# KiCad board LightRail_LPO_1.6T.kicad_pcb (continued)
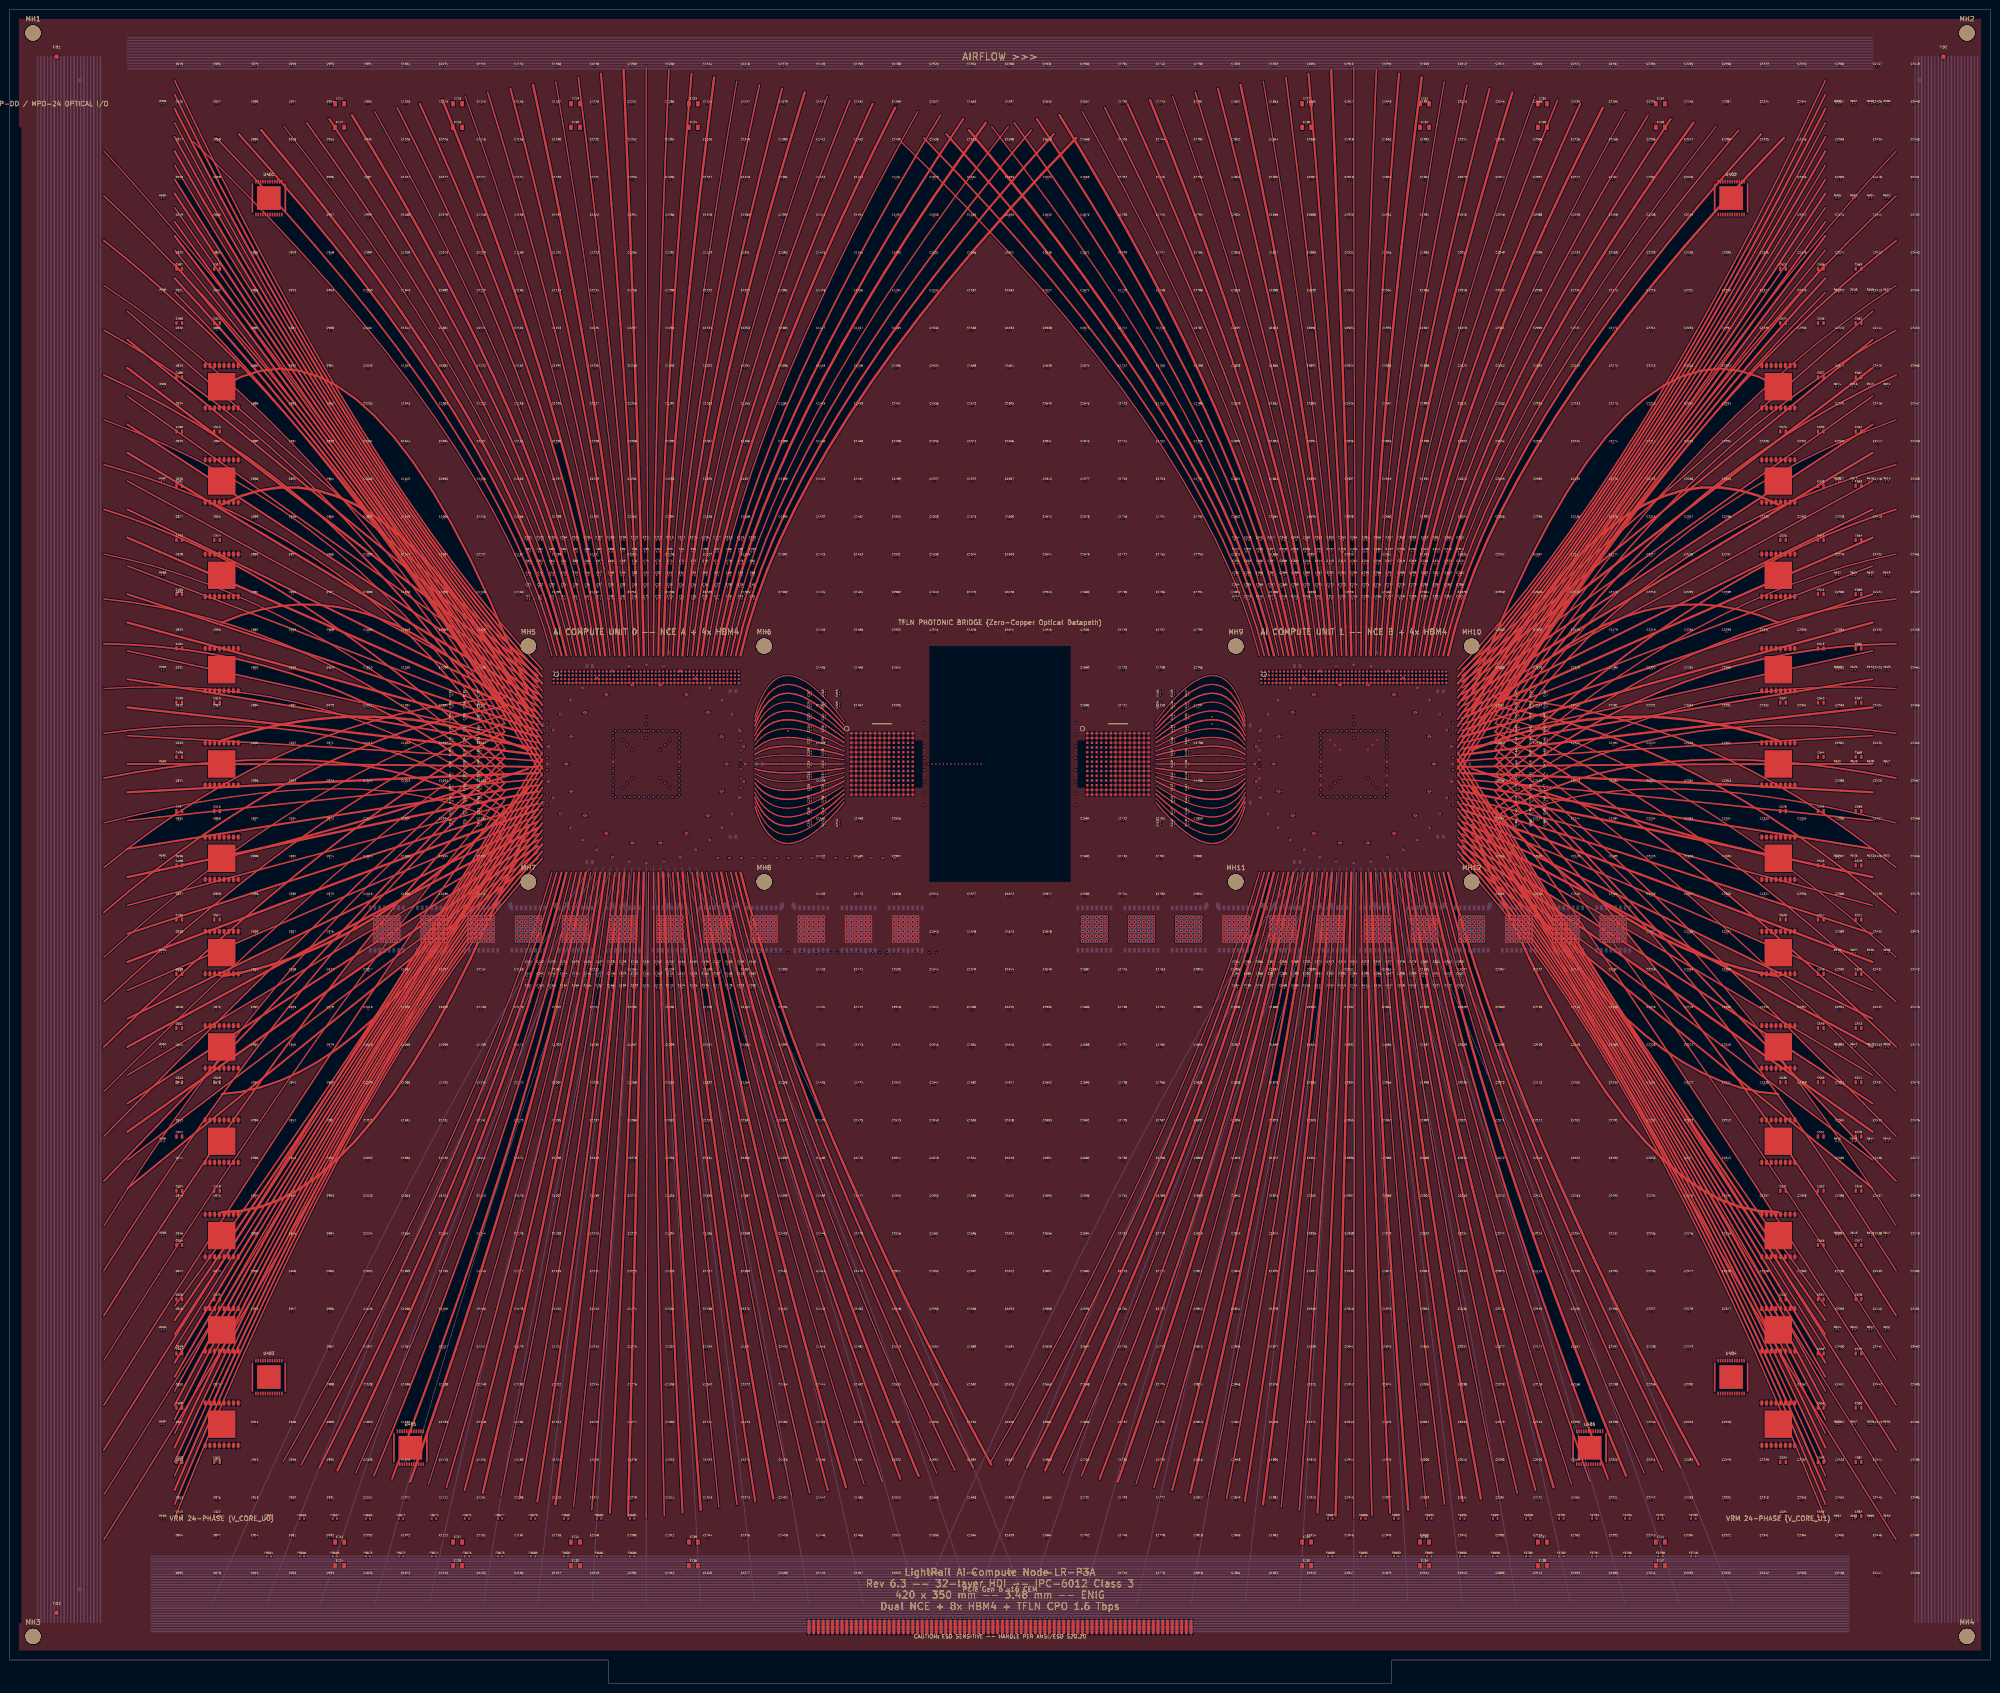
[diagram p0: board, top side]
## Routing (per net, layer and track width the routed paths; a pad name or vN(x,y) marks a point on that pad's centre or on a via; arc(x,y) is an arc through that point) (continued)
162.05,138.6 162.05,138.12 163.55,137.64 163.55,137.16 162.8,136.92 162.8,131.8 163.55,131.56 163.55,131.08 162.05,130.6 162.05,130.12 163.55,129.64 163.55,129.16 162.8,128.92 162.8,123.8 163.55,123.56 163.55,123.08 162.05,122.6 162.05,122.12 163.55,121.64 163.55,121.16 162.8,120.92 162.8,115.8 163.55,115.56 163.55,115.08 162.05,114.6 162.05,114.12 163.55,113.64 163.55,113.16 162.8,112.92 162.8,107.8 163.55,107.56 163.55,107.08 162.05,106.6 162.05,106.12 163.55,105.64 163.55,105.16 162.8,104.92 162.8,99.8 163.55,99.56 163.55,99.08 162.05,98.6 162.05,98.12 163.55,97.64 163.55,97.16 162.8,96.92 162.8,91.8 163.55,91.56 163.55,91.08 162.05,90.6 162.05,90.12 163.55,89.64 163.55,89.16 162.8,88.92 162.8,83.8 163.55,83.56 163.55,83.08 162.05,82.6 162.05,82.12 163.55,81.64 163.55,81.16 162.8,80.92 162.8,75.8 163.55,75.56 163.55,75.08 162.05,74.6 162.05,74.12 163.55,73.64 163.55,73.16 162.8,72.92 162.8,67.8 163.55,67.56 163.55,67.08 162.05,66.6 162.05,66.12 163.55,65.64 163.55,65.16 162.8,64.92 162.8,59.8 163.55,59.56 163.55,59.08 162.05,58.6 162.05,58.12 163.55,57.64 163.55,57.16 162.8,56.92 162.8,51.8 163.55,51.56 163.55,51.08 162.05,50.6 162.05,50.12 163.55,49.64 163.55,49.16 162.8,48.92 162.8,43.8 163.55,43.56 163.55,43.08 162.05,42.6 162.05,42.12 163.55,41.64 163.55,41.16 162.8,40.92 162.8,35.8 163.55,35.56 163.55,35.08 162.05,34.6 162.05,34.12 163.55,33.64 163.55,33.16 162.8,32.92 162.8,27.8 163.55,27.56 163.55,27.08 162.05,26.6 162.05,26.12 163.55,25.64 163.55,25.16 162.8,24.92 162.8,15 ; v1(165.3,175) 165.3,171.8 166.2,171.56 166.2,171.08 164.4,170.6 164.4,170.12 166.2,169.64 166.2,169.16 165.3,168.92 165.3,163.8 166.2,163.56 166.2,163.08 164.4,162.6 164.4,162.12 166.2,161.64 166.2,161.16 165.3,160.92 165.3,155.8 166.2,155.56 166.2,155.08 164.4,154.6 164.4,154.12 166.2,153.64 166.2,153.16 165.3,152.92 165.3,147.8 166.2,147.56 166.2,147.08 164.4,146.6 164.4,146.12 166.2,145.64 166.2,145.16 165.3,144.92 165.3,139.8 166.2,139.56 166.2,139.08 164.4,138.6 164.4,138.12 166.2,137.64 166.2,137.16 165.3,136.92 165.3,131.8 166.2,131.56 166.2,131.08 164.4,130.6 164.4,130.12 166.2,129.64 166.2,129.16 165.3,128.92 165.3,123.8 166.2,123.56 166.2,123.08 164.4,122.6 164.4,122.12 166.2,121.64 166.2,121.16 165.3,120.92 165.3,115.8 166.2,115.56 166.2,115.08 164.4,114.6 164.4,114.12 166.2,113.64 166.2,113.16 165.3,112.92 165.3,107.8 166.2,107.56 166.2,107.08 164.4,106.6 164.4,106.12 166.2,105.64 166.2,105.16 165.3,104.92 165.3,99.8 166.2,99.56 166.2,99.08 164.4,98.6 164.4,98.12 166.2,97.64 166.2,97.16 165.3,96.92 165.3,91.8 166.2,91.56 166.2,91.08 164.4,90.6 164.4,90.12 166.2,89.64 166.2,89.16 165.3,88.92 165.3,83.8 166.2,83.56 166.2,83.08 164.4,82.6 164.4,82.12 166.2,81.64 166.2,81.16 165.3,80.92 165.3,75.8 166.2,75.56 166.2,75.08 164.4,74.6 164.4,74.12 166.2,73.64 166.2,73.16 165.3,72.92 165.3,67.8 166.2,67.56 166.2,67.08 164.4,66.6 164.4,66.12 166.2,65.64 166.2,65.16 165.3,64.92 165.3,59.8 166.2,59.56 166.2,59.08 164.4,58.6 164.4,58.12 166.2,57.64 166.2,57.16 165.3,56.92 165.3,51.8 166.2,51.56 166.2,51.08 164.4,50.6 164.4,50.12 166.2,49.64 166.2,49.16 165.3,48.92 165.3,43.8 166.2,43.56 166.2,43.08 164.4,42.6 164.4,42.12 166.2,41.64 166.2,41.16 165.3,40.92 165.3,35.8 166.2,35.56 166.2,35.08 164.4,34.6 164.4,34.12 166.2,33.64 166.2,33.16 165.3,32.92 165.3,27.8 166.2,27.56 166.2,27.08 164.4,26.6 164.4,26.12 166.2,25.64 166.2,25.16 165.3,24.92 165.3,15 ; 60,186 110,186 60,186 ; 15,175 60,175 60,210 ; v1(195,14) 195,58 155,58 v1(155,175) 155,171.8 155.9,171.56 155.9,171.08 154.1,170.6 154.1,170.12 155.9,169.64 155.9,169.16 155,168.92 155,163.8 155.9,163.56 155.9,163.08 154.1,162.6 154.1,162.12 155.9,161.64 155.9,161.16 155,160.92 155,155.8 155.9,155.56 155.9,155.08 154.1,154.6 154.1,154.12 155.9,153.64 155.9,153.16 155,152.92 155,147.8 155.9,147.56 155.9,147.08 154.1,146.6 154.1,146.12 155.9,145.64 155.9,145.16 155,144.92 155,139.8 155.9,139.56 155.9,139.08 154.1,138.6 154.1,138.12 155.9,137.64 155.9,137.16 155,136.92 155,131.8 155.9,131.56 155.9,131.08 154.1,130.6 154.1,130.12 155.9,129.64 155.9,129.16 155,128.92 155,123.8 155.9,123.56 155.9,123.08 154.1,122.6 154.1,122.12 155.9,121.64 155.9,121.16 155,120.92 155,115.8 155.9,115.56 155.9,115.08 154.1,114.6 154.1,114.12 155.9,113.64 155.9,113.16 155,112.92 155,107.8 155.9,107.56 155.9,107.08 154.1,106.6 154.1,106.12 155.9,105.64 155.9,105.16 155,104.92 155,99.8 155.9,99.56 155.9,99.08 154.1,98.6 154.1,98.12 155.9,97.64 155.9,97.16 155,96.92 155,91.8 155.9,91.56 155.9,91.08 154.1,90.6 154.1,90.12 155.9,89.64 155.9,89.16 155,88.92 155,83.8 155.9,83.56 155.9,83.08 154.1,82.6 154.1,82.12 155.9,81.64 155.9,81.16 155,80.92 155,75.8 155.9,75.56 155.9,75.08 154.1,74.6 154.1,74.12 155.9,73.64 155.9,73.16 155,72.92 155,67.8 155.9,67.56 155.9,67.08 154.1,66.6 154.1,66.12 155.9,65.64 155.9,65.16 155,64.92 155,59.8 155.9,59.56 155.9,59.08 154.1,58.6 154.1,58.12 155.9,57.64 155.9,57.16 155,56.92 155,51.8 155.9,51.56 155.9,51.08 154.1,50.6 154.1,50.12 155.9,49.64 155.9,49.16 155,48.92 155,43.8 155.9,43.56 155.9,43.08 154.1,42.6 154.1,42.12 155.9,41.64 155.9,41.16 155,40.92 155,35.8 155.9,35.56 155.9,35.08 154.1,34.6 154.1,34.12 155.9,33.64 155.9,33.16 155,32.92 155,27.8 155.9,27.56 155.9,27.08 154.1,26.6 154.1,26.12 155.9,25.64 155.9,25.16 155,24.92 155,15 ; v1(190,14) 190,55 150,55 ; 155.3,15 155.3,24.92 156.2,25.16 156.2,25.64 154.4,26.12 154.4,26.6 156.2,27.08 156.2,27.56 155.3,27.8 155.3,32.92 156.2,33.16 156.2,33.64 154.4,34.12 154.4,34.6 156.2,35.08 156.2,35.56 155.3,35.8 155.3,40.92 156.2,41.16 156.2,41.64 154.4,42.12 154.4,42.6 156.2,43.08 156.2,43.56 155.3,43.8 155.3,48.92 156.2,49.16 156.2,49.64 154.4,50.12 154.4,50.6 156.2,51.08 156.2,51.56 155.3,51.8 155.3,56.92 156.2,57.16 156.2,57.64 154.4,58.12 154.4,58.6 156.2,59.08 156.2,59.56 155.3,59.8 155.3,64.92 156.2,65.16 156.2,65.64 154.4,66.12 154.4,66.6 156.2,67.08 156.2,67.56 155.3,67.8 155.3,72.92 156.2,73.16 156.2,73.64 154.4,74.12 154.4,74.6 156.2,75.08 156.2,75.56 155.3,75.8 155.3,80.92 156.2,81.16 156.2,81.64 154.4,82.12 154.4,82.6 156.2,83.08 156.2,83.56 155.3,83.8 155.3,88.92 156.2,89.16 156.2,89.64 154.4,90.12 154.4,90.6 156.2,91.08 156.2,91.56 155.3,91.8 155.3,96.92 156.2,97.16 156.2,97.64 154.4,98.12 154.4,98.6 156.2,99.08 156.2,99.56 155.3,99.8 155.3,104.92 156.2,105.16 156.2,105.64 154.4,106.12 154.4,106.6 156.2,107.08 156.2,107.56 155.3,107.8 155.3,112.92 156.2,113.16 156.2,113.64 154.4,114.12 154.4,114.6 156.2,115.08 156.2,115.56 155.3,115.8 155.3,120.92 156.2,121.16 156.2,121.64 154.4,122.12 154.4,122.6 156.2,123.08 156.2,123.56 155.3,123.8 155.3,128.92 156.2,129.16 156.2,129.64 154.4,130.12 154.4,130.6 156.2,131.08 156.2,131.56 155.3,131.8 155.3,136.92 156.2,137.16 156.2,137.64 154.4,138.12 154.4,138.6 156.2,139.08 156.2,139.56 155.3,139.8 155.3,144.92 156.2,145.16 156.2,145.64 154.4,146.12 154.4,146.6 156.2,147.08 156.2,147.56 155.3,147.8 155.3,152.92 156.2,153.16 156.2,153.64 154.4,154.12 154.4,154.6 156.2,155.08 156.2,155.56 155.3,155.8 155.3,160.92 156.2,161.16 156.2,161.64 154.4,162.12 154.4,162.6 156.2,163.08 156.2,163.56 155.3,163.8 155.3,168.92 156.2,169.16 156.2,169.64 154.4,170.12 154.4,170.6 156.2,171.08 156.2,171.56 155.3,171.8 v1(155.3,175) ; 15,155 64,155 64,206 ; 64,206 110,206 64,206 ; 64,206 64,315 15,315 ; 66,204 66,145 15,145 ; 66,204 66,305 15,305 ; 66,204 110,204 66,204 ; 177.5,15 177.5,24.92 178.55,25.16 178.55,25.64 176.45,26.12 176.45,26.6 178.55,27.08 178.55,27.56 177.5,27.8 177.5,32.92 178.55,33.16 178.55,33.64 176.45,34.12 176.45,34.6 178.55,35.08 178.55,35.56 177.5,35.8 177.5,40.92 178.55,41.16 178.55,41.64 176.45,42.12 176.45,42.6 178.55,43.08 178.55,43.56 177.5,43.8 177.5,48.92 178.55,49.16 178.55,49.64 176.45,50.12 176.45,50.6 178.55,51.08 178.55,51.56 177.5,51.8 177.5,56.92 178.55,57.16 178.55,57.64 176.45,58.12 176.45,58.6 178.55,59.08 178.55,59.56 177.5,59.8 177.5,64.92 178.55,65.16 178.55,65.64 176.45,66.12 176.45,66.6 178.55,67.08 178.55,67.56 177.5,67.8 177.5,72.92 178.55,73.16 178.55,73.64 176.45,74.12 176.45,74.6 178.55,75.08 178.55,75.56 177.5,75.8 177.5,80.92 178.55,81.16 178.55,81.64 176.45,82.12 176.45,82.6 178.55,83.08 178.55,83.56 177.5,83.8 177.5,88.92 178.55,89.16 178.55,89.64 176.45,90.12 176.45,90.6 178.55,91.08 178.55,91.56 177.5,91.8 177.5,96.92 178.55,97.16 178.55,97.64 176.45,98.12 176.45,98.6 178.55,99.08 178.55,99.56 177.5,99.8 177.5,104.92 178.55,105.16 178.55,105.64 176.45,106.12 176.45,106.6 178.55,107.08 178.55,107.56 177.5,107.8 177.5,112.92 178.55,113.16 178.55,113.64 176.45,114.12 176.45,114.6 178.55,115.08 178.55,115.56 177.5,115.8 177.5,120.92 178.55,121.16 178.55,121.64 176.45,122.12 176.45,122.6 178.55,123.08 178.55,123.56 177.5,123.8 177.5,128.92 178.55,129.16 178.55,129.64 176.45,130.12 176.45,130.6 178.55,131.08 178.55,131.56 177.5,131.8 177.5,136.92 178.55,137.16 178.55,137.64 176.45,138.12 176.45,138.6 178.55,139.08 178.55,139.56 177.5,139.8 177.5,144.92 178.55,145.16 178.55,145.64 176.45,146.12 176.45,146.6 178.55,147.08 178.55,147.56 177.5,147.8 177.5,152.92 178.55,153.16 178.55,153.64 176.45,154.12 176.45,154.6 178.55,155.08 178.55,155.56 177.5,155.8 177.5,160.92 178.55,161.16 178.55,161.64 176.45,162.12 176.45,162.6 178.55,163.08 178.55,163.56 177.5,163.8 177.5,168.92 178.55,169.16 178.55,169.64 176.45,170.12 176.45,170.6 178.55,171.08 178.55,171.56 177.5,171.8 v1(177.5,175) 177.5,59.5 217.5,59.5 v1(217.5,14) ; v1(197.5,14) 197.5,59.5 157.5,59.5 v1(157.5,175) 157.5,171.8 158.55,171.56 158.55,171.08 156.45,170.6 156.45,170.12 158.55,169.64 158.55,169.16 157.5,168.92 157.5,163.8 158.55,163.56 158.55,163.08 156.45,162.6 156.45,162.12 158.55,161.64 158.55,161.16 157.5,160.92 157.5,155.8 158.55,155.56 158.55,155.08 156.45,154.6 156.45,154.12 158.55,153.64 158.55,153.16 157.5,152.92 157.5,147.8 158.55,147.56 158.55,147.08 156.45,146.6 156.45,146.12 158.55,145.64 158.55,145.16 157.5,144.92 157.5,139.8 158.55,139.56 158.55,139.08 156.45,138.6 156.45,138.12 158.55,137.64 158.55,137.16 157.5,136.92 157.5,131.8 158.55,131.56 158.55,131.08 156.45,130.6 156.45,130.12 158.55,129.64 158.55,129.16 157.5,128.92 157.5,123.8 158.55,123.56 158.55,123.08 156.45,122.6 156.45,122.12 158.55,121.64 158.55,121.16 157.5,120.92 157.5,115.8 158.55,115.56 158.55,115.08 156.45,114.6 156.45,114.12 158.55,113.64 158.55,113.16 157.5,112.92 157.5,107.8 158.55,107.56 158.55,107.08 156.45,106.6 156.45,106.12 158.55,105.64 158.55,105.16 157.5,104.92 157.5,99.8 158.55,99.56 158.55,99.08 156.45,98.6 156.45,98.12 158.55,97.64 158.55,97.16 157.5,96.92 157.5,91.8 158.55,91.56 158.55,91.08 156.45,90.6 156.45,90.12 158.55,89.64 158.55,89.16 157.5,88.92 157.5,83.8 158.55,83.56 158.55,83.08 156.45,82.6 156.45,82.12 158.55,81.64 158.55,81.16 157.5,80.92 157.5,75.8 158.55,75.56 158.55,75.08 156.45,74.6 156.45,74.12 158.55,73.64 158.55,73.16 157.5,72.92 157.5,67.8 158.55,67.56 158.55,67.08 156.45,66.6 156.45,66.12 158.55,65.64 158.55,65.16 157.5,64.92 157.5,59.8 158.55,59.56 158.55,59.08 156.45,58.6 156.45,58.12 158.55,57.64 158.55,57.16 157.5,56.92 157.5,51.8 158.55,51.56 158.55,51.08 156.45,50.6 156.45,50.12 158.55,49.64 158.55,49.16 157.5,48.92 157.5,43.8 158.55,43.56 158.55,43.08 156.45,42.6 156.45,42.12 158.55,41.64 158.55,41.16 157.5,40.92 157.5,35.8 158.55,35.56 158.55,35.08 156.45,34.6 156.45,34.12 158.55,33.64 158.55,33.16 157.5,32.92 157.5,27.8 158.55,27.56 158.55,27.08 156.45,26.6 156.45,26.12 158.55,25.64 158.55,25.16 157.5,24.92 157.5,15 ; v1(157.8,175) 157.8,171.8 158.85,171.56 158.85,171.08 156.75,170.6 156.75,170.12 158.85,169.64 158.85,169.16 157.8,168.92 157.8,163.8 158.85,163.56 158.85,163.08 156.75,162.6 156.75,162.12 158.85,161.64 158.85,161.16 157.8,160.92 157.8,155.8 158.85,155.56 158.85,155.08 156.75,154.6 156.75,154.12 158.85,153.64 158.85,153.16 157.8,152.92 157.8,147.8 158.85,147.56 158.85,147.08 156.75,146.6 156.75,146.12 158.85,145.64 158.85,145.16 157.8,144.92 157.8,139.8 158.85,139.56 158.85,139.08 156.75,138.6 156.75,138.12 158.85,137.64 158.85,137.16 157.8,136.92 157.8,131.8 158.85,131.56 158.85,131.08 156.75,130.6 156.75,130.12 158.85,129.64 158.85,129.16 157.8,128.92 157.8,123.8 158.85,123.56 158.85,123.08 156.75,122.6 156.75,122.12 158.85,121.64 158.85,121.16 157.8,120.92 157.8,115.8 158.85,115.56 158.85,115.08 156.75,114.6 156.75,114.12 158.85,113.64 158.85,113.16 157.8,112.92 157.8,107.8 158.85,107.56 158.85,107.08 156.75,106.6 156.75,106.12 158.85,105.64 158.85,105.16 157.8,104.92 157.8,99.8 158.85,99.56 158.85,99.08 156.75,98.6 156.75,98.12 158.85,97.64 158.85,97.16 157.8,96.92 157.8,91.8 158.85,91.56 158.85,91.08 156.75,90.6 156.75,90.12 158.85,89.64 158.85,89.16 157.8,88.92 157.8,83.8 158.85,83.56 158.85,83.08 156.75,82.6 156.75,82.12 158.85,81.64 158.85,81.16 157.8,80.92 157.8,75.8 158.85,75.56 158.85,75.08 156.75,74.6 156.75,74.12 158.85,73.64 158.85,73.16 157.8,72.92 157.8,67.8 158.85,67.56 158.85,67.08 156.75,66.6 156.75,66.12 158.85,65.64 158.85,65.16 157.8,64.92 157.8,59.8 158.85,59.56 158.85,59.08 156.75,58.6 156.75,58.12 158.85,57.64 158.85,57.16 157.8,56.92 157.8,51.8 158.85,51.56 158.85,51.08 156.75,50.6 156.75,50.12 158.85,49.64 158.85,49.16 157.8,48.92 157.8,43.8 158.85,43.56 158.85,43.08 156.75,42.6 156.75,42.12 158.85,41.64 158.85,41.16 157.8,40.92 157.8,35.8 158.85,35.56 158.85,35.08 156.75,34.6 156.75,34.12 158.85,33.64 158.85,33.16 157.8,32.92 157.8,27.8 158.85,27.56 158.85,27.08 156.75,26.6 156.75,26.12 158.85,25.64 158.85,25.16 157.8,24.92 157.8,15 ; 182.8,15 182.8,24.92 183.55,25.16 183.55,25.64 182.05,26.12 182.05,26.6 183.55,27.08 183.55,27.56 182.8,27.8 182.8,32.92 183.55,33.16 183.55,33.64 182.05,34.12 182.05,34.6 183.55,35.08 183.55,35.56 182.8,35.8 182.8,40.92 183.55,41.16 183.55,41.64 182.05,42.12 182.05,42.6 183.55,43.08 183.55,43.56 182.8,43.8 182.8,48.92 183.55,49.16 183.55,49.64 182.05,50.12 182.05,50.6 183.55,51.08 183.55,51.56 182.8,51.8 182.8,56.92 183.55,57.16 183.55,57.64 182.05,58.12 182.05,58.6 183.55,59.08 183.55,59.56 182.8,59.8 182.8,64.92 183.55,65.16 183.55,65.64 182.05,66.12 182.05,66.6 183.55,67.08 183.55,67.56 182.8,67.8 182.8,72.92 183.55,73.16 183.55,73.64 182.05,74.12 182.05,74.6 183.55,75.08 183.55,75.56 182.8,75.8 182.8,80.92 183.55,81.16 183.55,81.64 182.05,82.12 182.05,82.6 183.55,83.08 183.55,83.56 182.8,83.8 182.8,88.92 183.55,89.16 183.55,89.64 182.05,90.12 182.05,90.6 183.55,91.08 183.55,91.56 182.8,91.8 182.8,96.92 183.55,97.16 183.55,97.64 182.05,98.12 182.05,98.6 183.55,99.08 183.55,99.56 182.8,99.8 182.8,104.92 183.55,105.16 183.55,105.64 182.05,106.12 182.05,106.6 183.55,107.08 183.55,107.56 182.8,107.8 182.8,112.92 183.55,113.16 183.55,113.64 182.05,114.12 182.05,114.6 183.55,115.08 183.55,115.56 182.8,115.8 182.8,120.92 183.55,121.16 183.55,121.64 182.05,122.12 182.05,122.6 183.55,123.08 183.55,123.56 182.8,123.8 182.8,128.92 183.55,129.16 183.55,129.64 182.05,130.12 182.05,130.6 183.55,131.08 183.55,131.56 182.8,131.8 182.8,136.92 183.55,137.16 183.55,137.64 182.05,138.12 182.05,138.6 183.55,139.08 183.55,139.56 182.8,139.8 182.8,144.92 183.55,145.16 183.55,145.64 182.05,146.12 182.05,146.6 183.55,147.08 183.55,147.56 182.8,147.8 182.8,152.92 183.55,153.16 183.55,153.64 182.05,154.12 182.05,154.6 183.55,155.08 183.55,155.56 182.8,155.8 182.8,160.92 183.55,161.16 183.55,161.64 182.05,162.12 182.05,162.6 183.55,163.08 183.55,163.56 182.8,163.8 182.8,168.92 183.55,169.16 183.55,169.64 182.05,170.12 182.05,170.6 183.55,171.08 183.55,171.56 182.8,171.8 v1(182.8,175) ; v2(280,190) 276,186 ; 60,210 110,210 60,210 ; 150,55 150,51.8 150.6,51.56 150.6,51.08 149.4,50.6 149.4,50.12 150.6,49.64 150.6,49.16 150,48.92 150,43.8 150.6,43.56 150.6,43.08 149.4,42.6 149.4,42.12 150.6,41.64 150.6,41.16 150,40.92 150,35.8 150.6,35.56 150.6,35.08 149.4,34.6 149.4,34.12 150.6,33.64 150.6,33.16 150,32.92 150,27.8 150.6,27.56 150.6,27.08 149.4,26.6 149.4,26.12 150.6,25.64 150.6,25.16 150,24.92 150,15 ; 150,55 150,56.92 150.6,57.16 150.6,57.64 149.4,58.12 149.4,58.6 150.6,59.08 150.6,59.56 150,59.8 150,64.92 150.6,65.16 150.6,65.64 149.4,66.12 149.4,66.6 150.6,67.08 150.6,67.56 150,67.8 150,72.92 150.6,73.16 150.6,73.64 149.4,74.12 149.4,74.6 150.6,75.08 150.6,75.56 150,75.8 150,80.92 150.6,81.16 150.6,81.64 149.4,82.12 149.4,82.6 150.6,83.08 150.6,83.56 150,83.8 150,88.92 150.6,89.16 150.6,89.64 149.4,90.12 149.4,90.6 150.6,91.08 150.6,91.56 150,91.8 150,96.92 150.6,97.16 150.6,97.64 149.4,98.12 149.4,98.6 150.6,99.08 150.6,99.56 150,99.8 150,104.92 150.6,105.16 150.6,105.64 149.4,106.12 149.4,106.6 150.6,107.08 150.6,107.56 150,107.8 150,112.92 150.6,113.16 150.6,113.64 149.4,114.12 149.4,114.6 150.6,115.08 150.6,115.56 150,115.8 150,120.92 150.6,121.16 150.6,121.64 149.4,122.12 149.4,122.6 150.6,123.08 150.6,123.56 150,123.8 150,128.92 150.6,129.16 150.6,129.64 149.4,130.12 149.4,130.6 150.6,131.08 150.6,131.56 150,131.8 150,136.92 150.6,137.16 150.6,137.64 149.4,138.12 149.4,138.6 150.6,139.08 150.6,139.56 150,139.8 150,144.92 150.6,145.16 150.6,145.64 149.4,146.12 149.4,146.6 150.6,147.08 150.6,147.56 150,147.8 150,152.92 150.6,153.16 150.6,153.64 149.4,154.12 149.4,154.6 150.6,155.08 150.6,155.56 150,155.8 150,160.92 150.6,161.16 150.6,161.64 149.4,162.12 149.4,162.6 150.6,163.08 150.6,163.56 150,163.8 150,168.92 150.6,169.16 150.6,169.64 149.4,170.12 149.4,170.6 150.6,171.08 150.6,171.56 150,171.8 v1(150,175) 150,55 ; 167.5,15 167.5,24.92 168.55,25.16 168.55,25.64 166.45,26.12 166.45,26.6 168.55,27.08 168.55,27.56 167.5,27.8 167.5,32.92 168.55,33.16 168.55,33.64 166.45,34.12 166.45,34.6 168.55,35.08 168.55,35.56 167.5,35.8 167.5,40.92 168.55,41.16 168.55,41.64 166.45,42.12 166.45,42.6 168.55,43.08 168.55,43.56 167.5,43.8 167.5,48.92 168.55,49.16 168.55,49.64 166.45,50.12 166.45,50.6 168.55,51.08 168.55,51.56 167.5,51.8 167.5,56.92 168.55,57.16 168.55,57.64 166.45,58.12 166.45,58.6 168.55,59.08 168.55,59.56 167.5,59.8 167.5,64.92 168.55,65.16 168.55,65.64 166.45,66.12 166.45,66.6 168.55,67.08 168.55,67.56 167.5,67.8 167.5,72.92 168.55,73.16 168.55,73.64 166.45,74.12 166.45,74.6 168.55,75.08 168.55,75.56 167.5,75.8 167.5,80.92 168.55,81.16 168.55,81.64 166.45,82.12 166.45,82.6 168.55,83.08 168.55,83.56 167.5,83.8 167.5,88.92 168.55,89.16 168.55,89.64 166.45,90.12 166.45,90.6 168.55,91.08 168.55,91.56 167.5,91.8 167.5,96.92 168.55,97.16 168.55,97.64 166.45,98.12 166.45,98.6 168.55,99.08 168.55,99.56 167.5,99.8 167.5,104.92 168.55,105.16 168.55,105.64 166.45,106.12 166.45,106.6 168.55,107.08 168.55,107.56 167.5,107.8 167.5,112.92 168.55,113.16 168.55,113.64 166.45,114.12 166.45,114.6 168.55,115.08 168.55,115.56 167.5,115.8 167.5,120.92 168.55,121.16 168.55,121.64 166.45,122.12 166.45,122.6 168.55,123.08 168.55,123.56 167.5,123.8 167.5,128.92 168.55,129.16 168.55,129.64 166.45,130.12 166.45,130.6 168.55,131.08 168.55,131.56 167.5,131.8 167.5,136.92 168.55,137.16 168.55,137.64 166.45,138.12 166.45,138.6 168.55,139.08 168.55,139.56 167.5,139.8 167.5,144.92 168.55,145.16 168.55,145.64 166.45,146.12 166.45,146.6 168.55,147.08 168.55,147.56 167.5,147.8 167.5,152.92 168.55,153.16 168.55,153.64 166.45,154.12 166.45,154.6 168.55,155.08 168.55,155.56 167.5,155.8 167.5,160.92 168.55,161.16 168.55,161.64 166.45,162.12 166.45,162.6 168.55,163.08 168.55,163.56 167.5,163.8 167.5,168.92 168.55,169.16 168.55,169.64 166.45,170.12 166.45,170.6 168.55,171.08 168.55,171.56 167.5,171.8 v1(167.5,175) 167.5,59.5 207.5,59.5 v1(207.5,14) ; v2(140,200) 144,204 ; v2(140,190) 144,186 ; 172.5,15 172.5,24.92 173.25,25.16 173.25,25.64 171.75,26.12 171.75,26.6 173.25,27.08 173.25,27.56 172.5,27.8 172.5,32.92 173.25,33.16 173.25,33.64 171.75,34.12 171.75,34.6 173.25,35.08 173.25,35.56 172.5,35.8 172.5,40.92 173.25,41.16 173.25,41.64 171.75,42.12 171.75,42.6 173.25,43.08 173.25,43.56 172.5,43.8 172.5,48.92 173.25,49.16 173.25,49.64 171.75,50.12 171.75,50.6 173.25,51.08 173.25,51.56 172.5,51.8 172.5,56.92 173.25,57.16 173.25,57.64 171.75,58.12 171.75,58.6 173.25,59.08 173.25,59.56 172.5,59.8 172.5,64.92 173.25,65.16 173.25,65.64 171.75,66.12 171.75,66.6 173.25,67.08 173.25,67.56 172.5,67.8 172.5,72.92 173.25,73.16 173.25,73.64 171.75,74.12 171.75,74.6 173.25,75.08 173.25,75.56 172.5,75.8 172.5,80.92 173.25,81.16 173.25,81.64 171.75,82.12 171.75,82.6 173.25,83.08 173.25,83.56 172.5,83.8 172.5,88.92 173.25,89.16 173.25,89.64 171.75,90.12 171.75,90.6 173.25,91.08 173.25,91.56 172.5,91.8 172.5,96.92 173.25,97.16 173.25,97.64 171.75,98.12 171.75,98.6 173.25,99.08 173.25,99.56 172.5,99.8 172.5,104.92 173.25,105.16 173.25,105.64 171.75,106.12 171.75,106.6 173.25,107.08 173.25,107.56 172.5,107.8 172.5,112.92 173.25,113.16 173.25,113.64 171.75,114.12 171.75,114.6 173.25,115.08 173.25,115.56 172.5,115.8 172.5,120.92 173.25,121.16 173.25,121.64 171.75,122.12 171.75,122.6 173.25,123.08 173.25,123.56 172.5,123.8 172.5,128.92 173.25,129.16 173.25,129.64 171.75,130.12 171.75,130.6 173.25,131.08 173.25,131.56 172.5,131.8 172.5,136.92 173.25,137.16 173.25,137.64 171.75,138.12 171.75,138.6 173.25,139.08 173.25,139.56 172.5,139.8 172.5,144.92 173.25,145.16 173.25,145.64 171.75,146.12 171.75,146.6 173.25,147.08 173.25,147.56 172.5,147.8 172.5,152.92 173.25,153.16 173.25,153.64 171.75,154.12 171.75,154.6 173.25,155.08 173.25,155.56 172.5,155.8 172.5,160.92 173.25,161.16 173.25,161.64 171.75,162.12 171.75,162.6 173.25,163.08 173.25,163.56 172.5,163.8 172.5,168.92 173.25,169.16 173.25,169.64 171.75,170.12 171.75,170.6 173.25,171.08 173.25,171.56 172.5,171.8 v1(172.5,175) 172.5,56.5 212.5,56.5 v1(212.5,14) ; v1(185.3,175) 185.3,171.8 186.2,171.56 186.2,171.08 184.4,170.6 184.4,170.12 186.2,169.64 186.2,169.16 185.3,168.92 185.3,163.8 186.2,163.56 186.2,163.08 184.4,162.6 184.4,162.12 186.2,161.64 186.2,161.16 185.3,160.92 185.3,155.8 186.2,155.56 186.2,155.08 184.4,154.6 184.4,154.12 186.2,153.64 186.2,153.16 185.3,152.92 185.3,147.8 186.2,147.56 186.2,147.08 184.4,146.6 184.4,146.12 186.2,145.64 186.2,145.16 185.3,144.92 185.3,139.8 186.2,139.56 186.2,139.08 184.4,138.6 184.4,138.12 186.2,137.64 186.2,137.16 185.3,136.92 185.3,131.8 186.2,131.56 186.2,131.08 184.4,130.6 184.4,130.12 186.2,129.64 186.2,129.16 185.3,128.92 185.3,123.8 186.2,123.56 186.2,123.08 184.4,122.6 184.4,122.12 186.2,121.64 186.2,121.16 185.3,120.92 185.3,115.8 186.2,115.56 186.2,115.08 184.4,114.6 184.4,114.12 186.2,113.64 186.2,113.16 185.3,112.92 185.3,107.8 186.2,107.56 186.2,107.08 184.4,106.6 184.4,106.12 186.2,105.64 186.2,105.16 185.3,104.92 185.3,99.8 186.2,99.56 186.2,99.08 184.4,98.6 184.4,98.12 186.2,97.64 186.2,97.16 185.3,96.92 185.3,91.8 186.2,91.56 186.2,91.08 184.4,90.6 184.4,90.12 186.2,89.64 186.2,89.16 185.3,88.92 185.3,83.8 186.2,83.56 186.2,83.08 184.4,82.6 184.4,82.12 186.2,81.64 186.2,81.16 185.3,80.92 185.3,75.8 186.2,75.56 186.2,75.08 184.4,74.6 184.4,74.12 186.2,73.64 186.2,73.16 185.3,72.92 185.3,67.8 186.2,67.56 186.2,67.08 184.4,66.6 184.4,66.12 186.2,65.64 186.2,65.16 185.3,64.92 185.3,59.8 186.2,59.56 186.2,59.08 184.4,58.6 184.4,58.12 186.2,57.64 186.2,57.16 185.3,56.92 185.3,51.8 186.2,51.56 186.2,51.08 184.4,50.6 184.4,50.12 186.2,49.64 186.2,49.16 185.3,48.92 185.3,43.8 186.2,43.56 186.2,43.08 184.4,42.6 184.4,42.12 186.2,41.64 186.2,41.16 185.3,40.92 185.3,35.8 186.2,35.56 186.2,35.08 184.4,34.6 184.4,34.12 186.2,33.64 186.2,33.16 185.3,32.92 185.3,27.8 186.2,27.56 186.2,27.08 184.4,26.6 184.4,26.12 186.2,25.64 186.2,25.16 185.3,24.92 185.3,15 ; v2(130,200) 126,204
  In6.Cu w0.1: 76,198 76,275 15,275 ; 76,198 225,198 76,198 ; 76,198 76,115 15,115 ; 15,315 76,315 76,206 ; 15,105 78,105 78,196 ; 72,186 225,186 72,186 ; 72,186 72,55 15,55 ; 72,186 72,215 15,215 ; 15,205 74,205 74,184 ; 15,125 74,125 74,200 ; 74,184 225,184 74,184 ; 74,184 74,45 15,45 ; 74,192 74,245 15,245 ; 74,192 225,192 74,192 ; 74,192 74,85 15,85 ; 72,210 72,175 15,175 ; 72,210 225,210 72,210 ; 72,210 72,335 15,335 ; 78,188 78,225 15,225 ; 78,188 225,188 78,188 ; 78,188 78,65 15,65 ; 76,206 225,206 76,206 ; 76,206 76,155 15,155 ; v2(281,191) 275,185 ; 76,182 76,195 15,195 ; 76,182 225,182 76,182 ; 76,182 76,35 15,35 ; 78,196 225,196 78,196 ; 78,196 78,265 15,265 ; 78,180 225,180 78,180 ; 78,180 78,185 15,185 ; 78,180 78,25 15,25 ; 74,200 225,200 74,200 ; 74,200 74,285 15,285 ; 15,295 72,295 72,202 ; 15,165 74,165 74,208 ; 15,305 78,305 78,204 ; 76,190 76,75 15,75 ; 76,190 76,235 15,235 ; 76,190 225,190 76,190 ; 72,202 72,135 15,135 ; 72,202 225,202 72,202 ; 74,208 225,208 74,208 ; 74,208 74,325 15,325 ; 15,255 72,255 72,194 ; 72,194 225,194 72,194 ; 72,194 72,95 15,95 ; v2(139,191) 145,185 ; v2(289,191) 295,185 ; 78,204 225,204 78,204 ; 78,204 78,145 15,145 ; v2(131,199) 125,205 ; v2(139,199) 145,205 ; v2(131,191) 125,185
  In7.Cu w0.1: v2(288,192) 296,184 ; v2(138,192) 146,184 ; v2(282,192) 274,184 ; v2(138,198) 146,206 ; v2(132,192) 124,184 ; v2(132,198) 124,206
  In7.Cu w0.15: 194,185.9 114,185.9 ; v1(194,193.75) v1(114,193.75) ; v1(194,188.75) v1(114,188.75) ; v1(194,201.25) v1(114,201.25) ; 194,195.9 114,195.9 ; 194,190.9 114,190.9 ; v1(194,198.75) v1(114,198.75) ; 194,188.4 114,188.4 ; 194,200.9 114,200.9 ; 194,193.4 114,193.4 ; v1(194,203.75) v1(114,203.75) ; 194,203.4 114,203.4 ; 194,198.4 114,198.4 ; v1(194,196.25) v1(114,196.25) ; v1(194,186.25) v1(114,186.25) ; v1(194,191.25) v1(114,191.25)
  In13.Cu w0.1: 210,285 135,285 135,215 ; 210,285 210,305 ; 210,285 285,285 285,215
  In14.Cu w0.08: 218.2,305 218.2,269 ; 212.2,305 212.2,271 ; 218,305 218,269 ; 200.2,305 200.2,275 ; 206.2,305 206.2,273 ; 200,305 200,275 ; 206,305 206,273 ; 212,305 212,271
  In14.Cu w0.1: 235,210 235,285 185,285 185,210
  In24.Cu w0.15: 226,190.9 306,190.9 ; 226,185.9 306,185.9 ; v1(226,201.25) v1(306,201.25) ; v1(226,198.75) v1(306,198.75) ; 226,198.4 306,198.4 ; 226,203.4 306,203.4 ; v1(226,188.75) v1(306,188.75) ; 226,188.4 306,188.4 ; v1(226,186.25) v1(306,186.25) ; v1(226,203.75) v1(306,203.75) ; 226,193.4 306,193.4 ; v1(226,193.75) v1(306,193.75) ; 226,200.9 306,200.9 ; 226,195.9 306,195.9 ; v1(226,191.25) v1(306,191.25) ; v1(226,196.25) v1(306,196.25)